# Altium PCB Template.PcbDoc
Units mil, origin at the board's own origin, x right, y up, seen from the top; angles counter-clockwise.
Board outline 6705 x 4350 mil, 2 copper layers (Top Layer, Bottom Layer), stack 61.2 mil thick; 55 components, 77 nets, 278 pads, 130 vias.
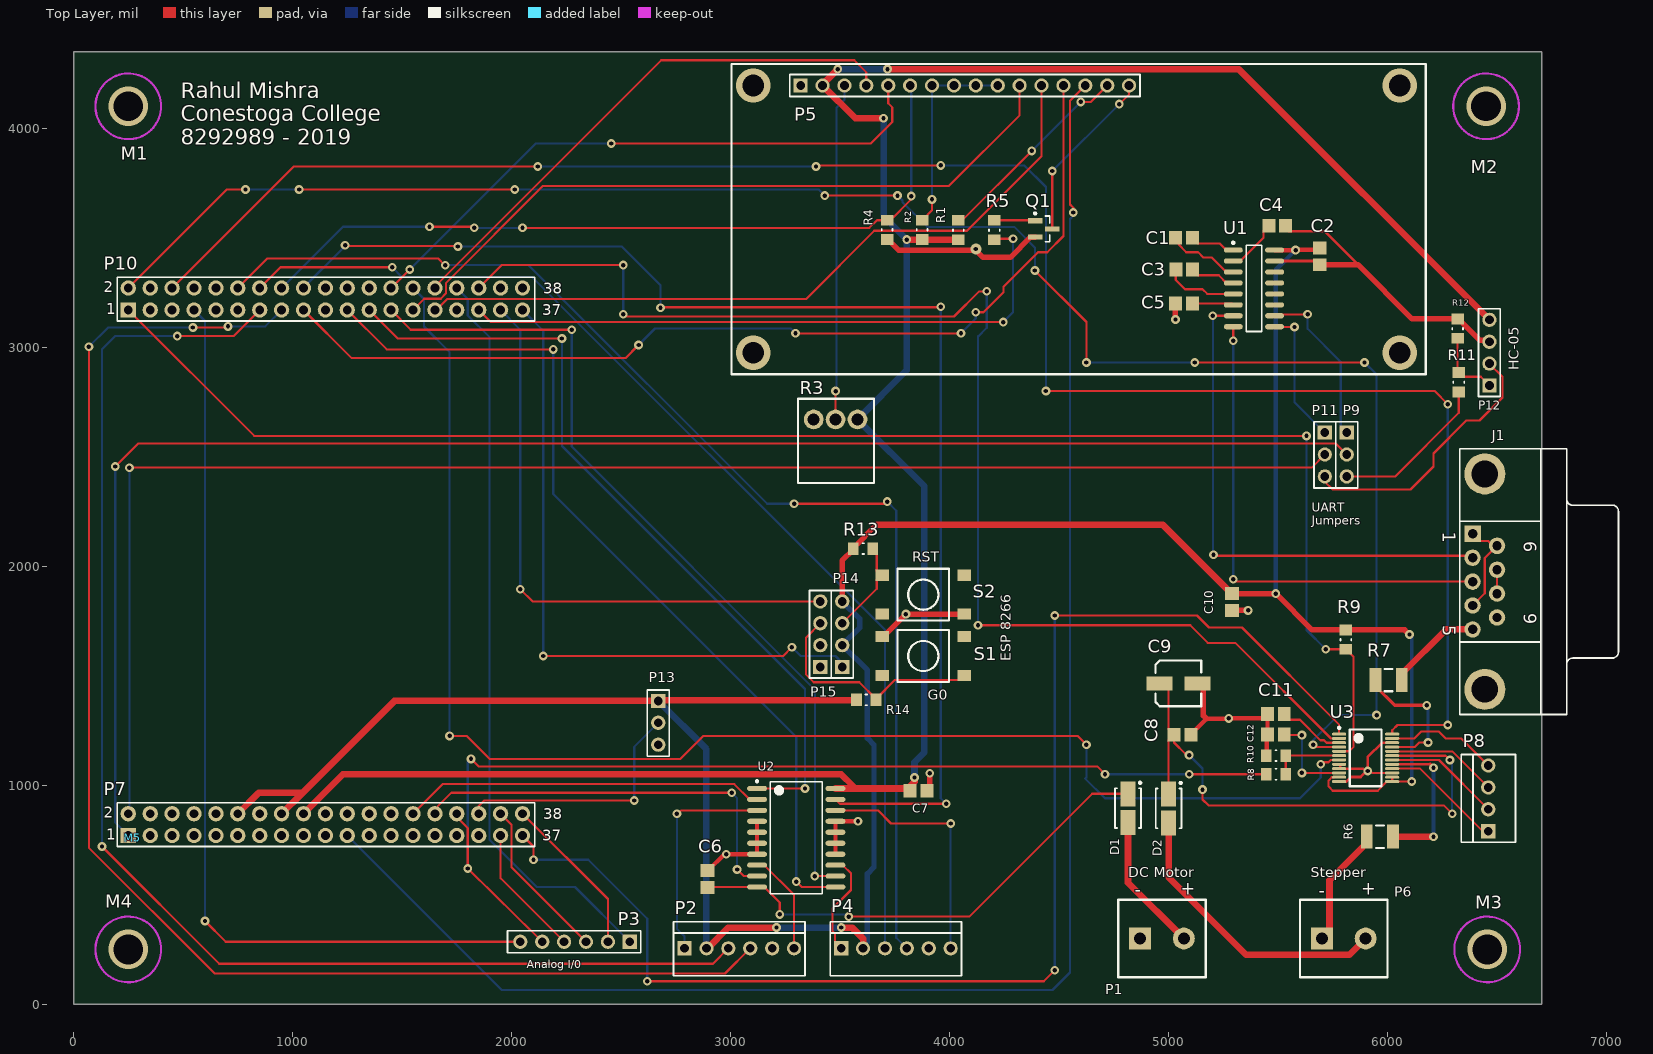
[diagram p0: Top Layer view]
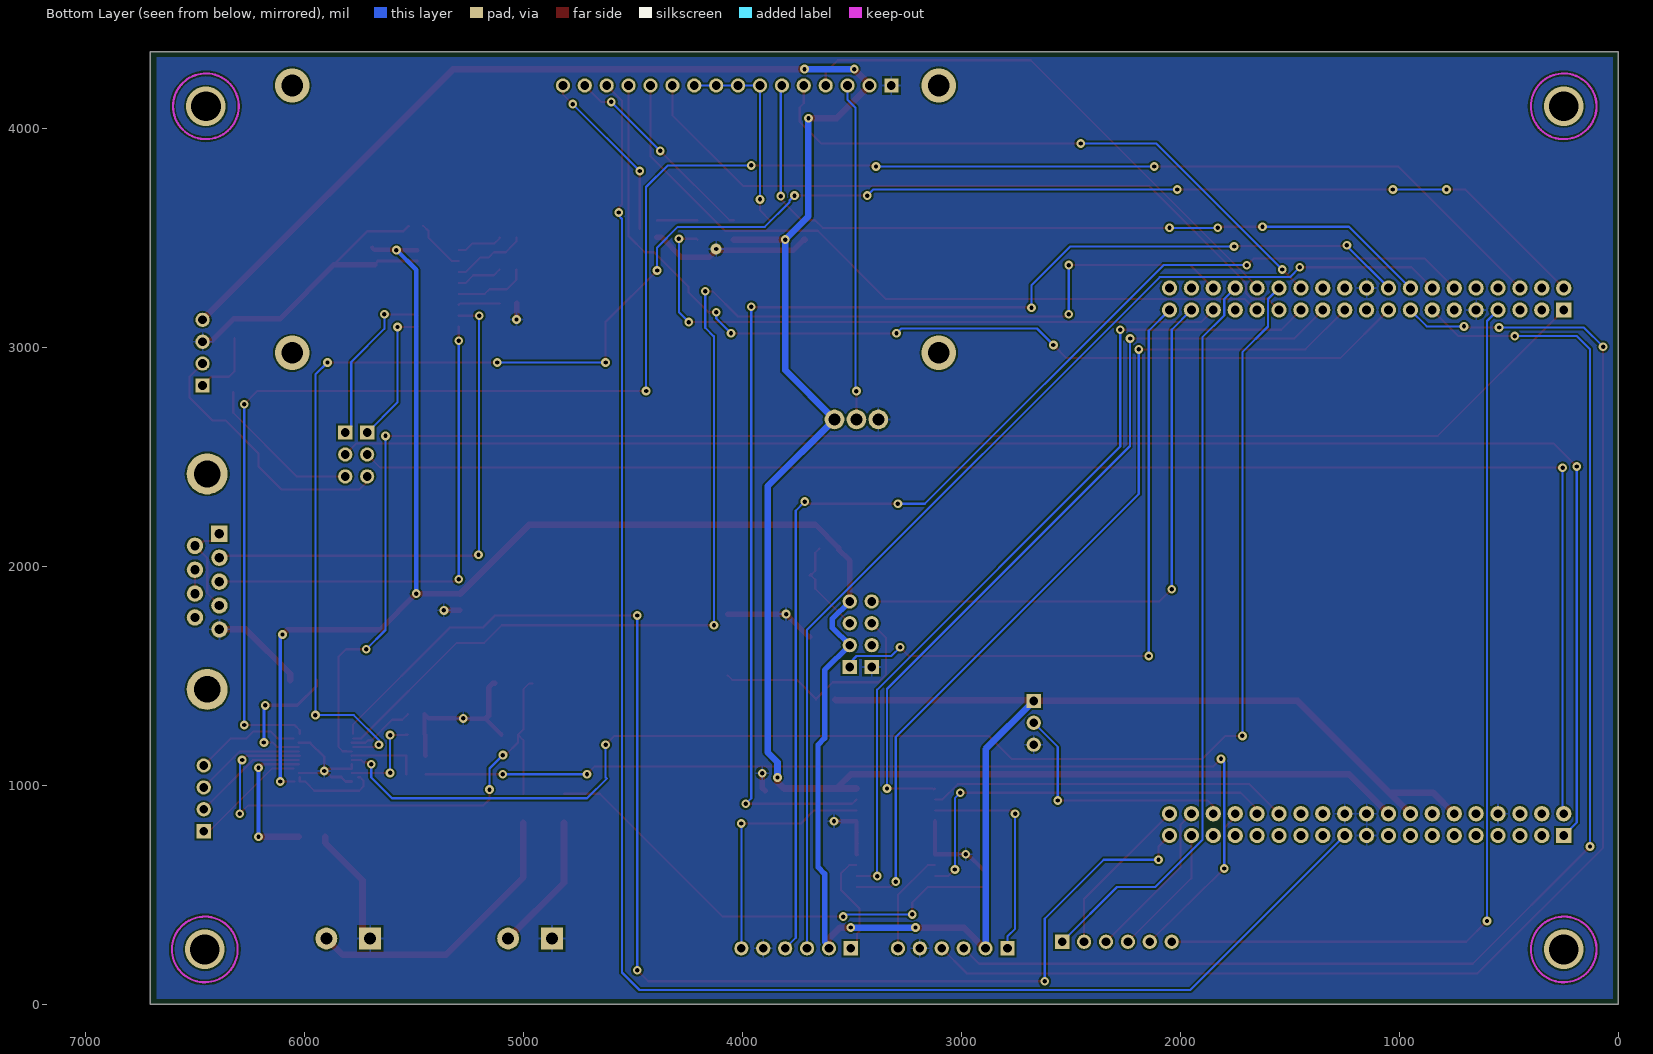
[diagram p1: Bottom Layer view, seen from below]

## Layer stack, top to bottom
Top Solder: solder mask 0.4, Solder Resist, Dk 3.5
Top Layer: signal copper 1.4
Dielectric 1: dielectric 58.4, FR-4, Dk 4.8
Bottom Layer: signal copper 1.4
Bottom Solder: solder mask 0.4, Solder Resist, Dk 3.5

## Board outline
0,0 0,4350 6705,4350 6705,0

## Design rules (kind name [scope] priority, off if disabled: settings)
Clearance [All] p1: gap=6 ignorepadtopadclearanceinfootprint=TRUE except(8: Arc-Fill Arc-Poly Arc-Region Track-Fill Track-Poly Track-Region SMDPad-Fill SMDPad-Poly SMDPad-Region THPad-Fill THPad-Poly THPad-Region Via-Fill Via-Poly Via-Region Fill-Fill Fill-Poly Fill-Region Poly-Poly Poly-Region Region-Region)
HoleSize [All] p1: absolutevalues=TRUE maxlimit=150 minlimit=20 maxpercent=80.000 minpercent=20.000
MinimumAnnularRing [All] p1: minimumring=10
MinimumSolderMaskSliver [All] p1: minsoldermaskwidth=3
PolygonConnect [All] p1: connectstyle=Relief reliefconductorwidth=10 reliefentries=4 polygonreliefangle="90 Angle" airgapwidth=10
RoutingVias [All] p1: holewidth=10 width=40 viastyle="Through Hole" minholewidth=20 minwidth=30 maxholewidth=40 maxwidth=50
SolderMaskExpansion [All] p1: expansion=5
Width Width_Power [InNetClass('Power')] p1: maxlimit=50 minlimit=10 preferedwidth=30
Width [All] p2: maxlimit=10 minlimit=10 preferedwidth=10
28 further rules are at their usual default settings.

## Classes and differential pairs
net class Power: 3V3 5V0 GND NetD1_2 NetD2_2 NetP2_1 NetP2_6 NetP4_1 NetP4_6 OUT1A OUT1B OUT2A OUT2B RNF1 RNF2 VM Vmotor
component class Sheet3: C8 C9 C10 C11 C12 D2 P6 P8 R6 R7 R8 R9 R10 U3
component class Sheet2: 1.2mm C6 C7 D1 P1 P2 P4 P14 P15 Q1 R1 R2 R3 R4 R5 R13 R14 S1 S2 U2
component class Sheet1: C1 C2 C3 C4 C5 J1 P3 P7 P9 P10 P11 P12 P13 R11 R12 U1
component class Mechanical: M1 M2 M3 M4 M5

## Components (designator, comment, footprint, x,y, rotation, side; value= is the part's Value field where it differs from the comment)
C1 "Cap" CAPC2012X09M 5070,3500 r0 top value=.1uF
C2 "Cap" CAPC2012X09M 5690,3415 r90 top value=.1uF
C3 "Cap" CAPC2012X09M 5071.61,3355 r0 top value=.1uF
C4 "Cap" CAPC2012X09M 5496.61,3555 r180 top value=.1uF
C5 "Cap" CAPC2012X09M 5070,3200 r0 top value=.1uF
C6 "Cap" CAPC2012X09M 2895,571.61 r270 top value=.1uF
C7 "Cap" CAPC2012X09M 3858.39,975 r180 top value=.1uF
C8 "Cap" CAPC2012X09M 5063.39,1230 r180 top value=.1uF
C9 "Cap Pol" CAPACITOR_5MM 5045,1465 r0 top value=10uF
C10 "Cap" CAPC2012X09M 5290,1836.61 r90 top value=.1uF
C11 "Cap" CAPC2012X09M 5490,1325 r0 top value=.1uF
C12 "Cap" CAPC2012X09M 5490,1231.97 r0 top value=220pF
D1 "DIODE SCHOTTKY 40V 2A SMA" DIOM4326X23M 4815,895 r270 top
D2 "DIODE SCHOTTKY 40V 2A SMA" DIOM4326X23M 5000,894.06 r270 top
J1 "D Connector 9" DSUB1.385-2H9 6818.11,1929.53 r270 top
M1 "MOUNTING_HOLE" MOUNTING_HOLE 250,4100 r0 top
M2 "MOUNTING_HOLE" MOUNTING_HOLE 6450,4100 r0 top
M3 "MOUNTING_HOLE" MOUNTING_HOLE 6455,250 r0 top locked
M4 "MOUNTING_HOLE" MOUNTING_HOLE 250,250 r0 top locked
M5 "Nucleo-64" NUCLEO_64 269.29,760 r90 top
P1 "Terminal 2" TYCO_282841_2 4970,300 r0 top
P2 "Molex_22-11-2062" MOLEX_22-11-2062 2790,255 r0 top
P3 "Header 6" HDR1X6 2540,285 r180 top
P4 "Molex_22-11-2062" MOLEX_22-11-2062 3505,255 r0 top
P5 "Header16_LCD" HDR1X16_LCD 3320,4195 r0 top
P6 "Terminal 2" TYCO_282841_2 5800,300 r0 top
P7 "Header 19X2H" PPPC192LFBN-RC 250,770 r0 top
P8 "Molex_22-11-2042" MOLEX-22-11-2042 6460,790 r90 top
P9 "Header 3" HDR1X3 5813.74,2610 r270 top
P10 "Header 19X2H" PPPC192LFBN-RC 250,3170 r0 top
P11 "Header 3" HDR1X3 5713.74,2610 r270 top
P12 "Header 4" HDR1X4 6465,2825 r90 top
P13 "Header 3" HDR1X3 2670,1385 r270 top
P14 "Header 4" HDR1X4 3510,1539.37 r90 top
P15 "Header 4" HDR1X4 3410,1539.37 r90 top
Q1 "BC846B" SOT95P230X110-3M 4430,3540 r0 top
R1 "Res3" RESC2112X05M 4040,3535 r270 top value=0R
R2 "Res3" RESC2112X05M 3875,3535.71 r270 top value=10.0K
R3 "RPot" BOURNS_3386F 3379.69,2670 r0 top value=10K
R4 "Res3" RESC2112X05M 3715,3535.71 r270 top value=10.0K
R5 "Res3" RESC2112X05M 4205,3535 r90 top value=3.32K
R6 "Res3" RESC3125X07M 5965.04,765 r0 top value=0.47R
R7 "Res3" RESC3125X07M 6005,1480 r180 top value=0.47R
R8 "Res3" RESC2112X05M 5490.71,1050 r180 top value=8.25K
R9 "Res3" RESC2112X05M 5810,1665 r90 top value=47.5K
R10 "Res3" RESC2112X05M 5490.71,1135 r0 top value=4.75K
R11 "Res3" RESC2112X05M 6325,2840 r270 top value=1.00K
R12 "Res3" RESC2112X05M 6320,3085 r270 top value=2.00K
R13 "Res3" RESC2112X05M 3605,2080 r180 top value=3.32K
R14 "Res3" RESC2112X05M 3620,1390 r180 top value=3.32K
S1 "SWITCH_TACTILE" TACT_SWITCH_6MM_SMT 3880,1590 r180 top
S2 "SWITCH_TACTILE" TACT_SWITCH_6MM_SMT 3880,1870 r0 top
U1 "MAX3232CSE" NSO16_N 5390,3268.43 r0 top
U2 "L293DD" SO20_N 3300,760 r0 top
U3 "LV8712T-TLM-H" ONSEMITSSOP50P640X120-24M 5900,1125 r0 top

## Footprints (in the part's own frame and the unit in brackets; to place one, negate y for a bottom-side part, rotate by r counter-clockwise, add the part's x,y. Pads: shape width x height; smd on the part's side, far side on the other; paste and mask are expansions set on the pad)
BOURNS_3386F [mil] "Top Adjust Trimpot"
  round 90 hole 55: 1(0,0) 2(100,0) 3(200,0)
  silkscreen extent -72,-290 275,95, body extent -74,-286 276,89, height 150
CAPACITOR_5MM [mm]
  rect 3x1.6 smd: 1(-2.2,0) 2(2.2,0)
  silkscreen extent -2.65,-2.65 2.65,2.65, body extent -3.1,-2.65 3.1,2.65, height 6.15
CAPC2012X09M [mm] "Chip Capacitor, 2-Leads, Body 2.00x1.25mm, IPC Low Density"
  rect 1.5x1.6 smd: 1(-0.975,0) 2(0.975,0)
  body extent -1.1,-0.72 1.1,0.72, height 0.88
DIOM4326X23M [mm] "Molded Diode, 2-Leads, Body 4.30x2.60mm, IPC Low Density"
  rect 2.9x1.7 smd: 1(-1.675,0) 2(1.675,0)
  silkscreen extent -3.07,-1.5 2.3,1.53, body extent -2.74,-1.4 2.74,1.4, height 2.36
DSUB1.385-2H9 [mm] "Connector; D Subminiature; 9 Position; Right Angle; Pitch 1.385 mm"
  rect 1.905x1.905 hole 1.09: 1(-5.54,-10.92)
  round 1.905 hole 1.09: 2(-2.77,-10.92) 3(0,-10.92) 4(2.77,-10.92) 5(5.54,-10.92) 6(-4.155,-8.08) 7(-1.385,-8.08) 8(1.385,-8.08) 9(4.155,-8.08)
  round 4.76 hole 3.1: 10(-12.495,-9.5) 11(12.495,-9.5)
  silkscreen extent -15.4,-12.4 15.4,6, body extent -15.49,-12.69 15.32,5.61, height 12.88
HDR1X3 [mil] "Connector; Header; 3 Position"
  rect 65x65 hole 40: 1(0,0)
  round 65 hole 40: 2(100,0) 3(200,0)
  silkscreen extent -50,-50 253,50, body extent -46,-49 254,49, height 118
HDR1X4 [mil] "Connector; Header; 4 Position"
  rect 65x65 hole 40: 1(0,0)
  round 65 hole 40: 2(100,0) 3(200,0) 4(300,0)
  silkscreen extent -50,-50 350,50, body extent -47,-48 353,50, height 370
HDR1X6 [mil] "Connector; Header; 6 Position"
  rect 65x65 hole 40: 1(0,0)
  round 65 hole 40: 2(100,0) 3(200,0) 4(300,0) 5(400,0) 6(500,0)
  silkscreen extent -50,-50 559,50, body extent -46,-48 554,50, height 370
HDR1X16_LCD [mil] "Connector; Header; 16 Position, For LCD"
  rect 65x65 hole 40: 1(0,0)
  round 65 hole 40: 2(100,0) 3(200,0) 4(300,0) 5(400,0) 6(500,0) 7(600,0) 8(700,0) 9(800,0) 10(900,0) 11(1000,0) 12(1100,0) 13(1200,0) 14(1300,0) 15(1400,0) 16(1500,0)
  silkscreen extent -315,-1319 2854,98, body extent -399,-1344 2885,181, height 800
MOLEX-22-11-2042 [mil] "CONN HEADER 4POS .100 VERT GOLD"
  rect 65x65 hole 40: 1(0,0)
  round 65 hole 40: 2(100,0) 3(200,0) 4(300,0)
  silkscreen extent -50,-124 350,123, body extent -47,-128 347,122, height 422
MOLEX_22-11-2062 [mil] "CONN HEADER 6POS .100 VERT GOLD"
  rect 65x65 hole 40: 1(0,0)
  round 65 hole 40: 2(100,0) 3(200,0) 4(300,0) 5(400,0) 6(500,0)
  silkscreen extent -50,-125 550,122, body extent -47,-128 547,122, height 422
MOUNTING_HOLE [mil]
  Keep-Out Layer circle w10: c0,0 r150
NSO16_N [mm] "SOIC, 16-Leads, Body 9.9x3.9mm, Pitch 1.27mm, IPC Medium Density"
  oval 2.2x0.6 smd: 1(-2.4,4.445) 2(-2.4,3.175) 3(-2.4,1.905) 4(-2.4,0.635) 5(-2.4,-0.635) 6(-2.4,-1.905) 7(-2.4,-3.175) 8(-2.4,-4.445) 9(2.4,-4.445) 10(2.4,-3.175) 11(2.4,-1.905) 12(2.4,-0.635) 13(2.4,0.635) 14(2.4,1.905) 15(2.4,3.175) 16(2.4,4.445)
  silkscreen extent -2.52,-5 0.9,5.42, body extent -3.1,-5 3.1,5, height 1.75
NUCLEO_64 [mil] "Nucleo 64 Placeholder"
  body extent -128,-1998 2628,1269, height 394
ONSEMITSSOP50P640X120-24M [mm] "On Semi TSSOP, 24-Leads, Body 6.50x4.40mm, Pitch 0.50mm, IPC Low Density"
  oval 1.65x0.35 smd: 1(-3.075,2.75) 2(-3.075,2.25) 3(-3.075,1.75) 4(-3.075,1.25) 5(-3.075,0.75) 6(-3.075,0.25) 7(-3.075,-0.25) 8(-3.075,-0.75) 9(-3.075,-1.25) 10(-3.075,-1.75) 11(-3.075,-2.25) 12(-3.075,-2.75) 13(3.075,-2.75) 14(3.075,-2.25) 15(3.075,-1.75) 16(3.075,-1.25) 17(3.075,-0.75) 18(3.075,-0.25) 19(3.075,0.25) 20(3.075,0.75) 21(3.075,1.25) 22(3.075,1.75) 23(3.075,2.25) 24(3.075,2.75)
  silkscreen extent -3.2,-3.3 1.85,3.6, body extent -3.2,-3.3 3.2,3.3, height 1.2
PPPC192LFBN-RC [mil] "38 Position Header Connector 0.100in (2.54mm) Through Hole Gold"
  rect 70x70 hole 40: 1(0,0)
  round 70 hole 40: 2(0,100) 3(100,0) 4(100,100) 5(200,0) 6(200,100) 7(300,0) 8(300,100) 9(400,0) 10(400,100) 11(500,0) 12(500,100) 13(600,0) 14(600,100) 15(700,0) 16(700,100) 17(800,0) 18(800,100) 19(900,0) 20(900,100) 21(1000,0) 22(1000,100) 23(1100,0) 24(1100,100) 25(1200,0) 26(1200,100) 27(1300,0) 28(1300,100) 29(1400,0) 30(1400,100) 31(1500,0) 32(1500,100) 33(1600,0) 34(1600,100) 35(1700,0) 36(1700,100) 37(1800,0) 38(1800,100)
  silkscreen extent -50,-50 1856,150, body extent -60,-51 1860,149, height 335
RESC2112X05M [mm] "Chip Resistor, 2-Leads, Body 2.05x1.25mm, IPC Low Density"
  rect 1.25x1.45 smd: 1(-1.125,0) 2(1.125,0)
  silkscreen extent -0.1,-0.62 0.1,0.62, body extent -1.1,-0.7 1.1,0.7, height 0.5
RESC3125X07M [mm] "Chip Resistor, 2-Leads, Body 3.10x2.50mm, IPC Low Density"
  rect 1.35x2.8 smd: 1(-1.525,0) 2(1.525,0)
  silkscreen extent -0.45,-1.3 0.45,1.3, body extent -1.65,-1.35 1.65,1.35, height 0.7
SO20_N [mm] "SOIC, 20-Leads, Body 12.8x7.5mm, Pitch 1.27mm, IPC Medium Density"
  oval 2.3x0.6 smd: 1(-4.55,5.715) 2(-4.55,4.445) 3(-4.55,3.175) 4(-4.55,1.905) 5(-4.55,0.635) 6(-4.55,-0.635) 7(-4.55,-1.905) 8(-4.55,-3.175) 9(-4.55,-4.445) 10(-4.55,-5.715) 11(4.55,-5.715) 12(4.55,-4.445) 13(4.55,-3.175) 14(4.55,-1.905) 15(4.55,-0.635) 16(4.55,0.635) 17(4.55,1.905) 18(4.55,3.175) 19(4.55,4.445) 20(4.55,5.715)
  silkscreen extent -4.67,-6.5 3,6.69, body extent -5.04,-6.52 5.15,6.82, height 2.67
SOT95P230X110-3M [mm] "SOT23, 3-Leads, Body 2.90x2.30mm, Pitch 0.95mm, IPC Low Density"
  rect 1.7x0.6 smd: 1(-1,0.95) 2(-1,-0.95) 3(1,0)
  silkscreen extent -1.12,-1.5 0.7,1.92, body extent -0.7,-1.5 0.7,1.5, height 1.1
TACT_SWITCH_6MM_SMT [mm]
  rect 1.55x1.3 smd: 1(-4.75,2.25) 2(4.75,2.25) 3(-4.75,-2.25) 4(4.75,-2.25)
  silkscreen extent -3,-3 3,3, body extent -5,-3.05 5,2.95, height 5.07
TYCO_282841_2 [mil]
  rect 100x100 hole 55: 1(-100,0)
  round 100 hole 55: 2(100,0)
  silkscreen extent -200,-177 200,177, body extent -209,-174 219,180, height 600

## Part data
C1 C2 C3 C4 C5 C6 C7 C8 C10 C11: library part CAP-X7R-.1uF-50V-±5%, "CAP CER .1uF 50v X7R 0805", MPN=C0805C104J5RACTU, Tolerance=±5%, Name=CAP-X7R-.1uF-50V-±5%, PN=399-1171-1-ND, Type=X7R, URL=http://www.digikey.ca/product-detail/en/C0805C104J5RACTU/399-1171-1-ND, WV=50
C9: library part "Cap Polar-10uF-35V", "CAP 85C 10uF ±20% 35V WX Series Aluminum Electrolytic", Leakage Current=3.5, MPN=UWX1V100MCL1GB, Rated Ripple Current=29, Voltage=35V, Diameter=5, Name="Cap Polar-10uF-35V", PN=493-2117-1-ND, Tan Theta=0.12, URL=http://www.digikey.ca/product-detail/en/UWX1V100MCL1GB/493-2117-1-ND
C12: library part CAP-X7R-220pF-50V-±10%, "CAP CER 220pF 50v X7R 0805", MPN=C0805C221K5RACTU, Tolerance=±10%, Name=CAP-X7R-220pF-50V-±10%, PN=399-1138-1-ND, Type=X7R, URL=http://www.digikey.ca/product-detail/en/C0805C221K5RACTU/399-1138-1-ND, WV=50
D1 D2: "Schottky Rectifier", MPN=B240A-13-F, PN=B240A-FDICT-ND, URL=http://www.digikey.ca/product-detail/en/B240A-13-F/B240A-FDICT-ND
J1: "Receptacle Assembly, 9 Position, Right Angle", MPN=ADF09A-KG-TASB3-R, PN=AE10921-ND, URL=http://www.digikey.ca/product-detail/en/ADF09A-KG-TASB3-R/AE10921-ND
M1 M2 M3 M4: "Mounting Hole"
M5: "Nucleo-64 Board Model"
P1 P6: "Terminal, 2-Pin", MPN=282841-2, LatestRevisionDate=17-Jul-2002, LatestRevisionNote="Re-released for DXP Platform.", PN=A98342-ND, Publisher="Altium Limited", URL=http://www.digikey.ca/product-detail/en/282841-2/A98342-ND/1136740
P2 P4: "CONN HEADER 6POS .100 VERT GOLD", MPN=0022112062, PN=WM2704-ND, URL=http://www.digikey.ca/product-detail/en/0022112062/WM2704-ND
P3: "Header, 6-Pin Male", MPN=PEC06SFAN, PN=S1212E-06-ND, URL=http://www.digikey.ca/product-detail/en/PEC06SFAN/S1212E-06-ND
P5: "Header, 16-Pin Female", MPN=PPPC161LFBN-RC, PN=S7049-ND, URL=http://www.digikey.ca/product-detail/en/PPPC161LFBN-RC/S7049-ND
P7 P10: "38 Position Header Connector 0.100in (2.54mm) Through Hole Gold", MPN=PPPC192LFBN-RC, PN=S7122-ND, URL=https://www.digikey.ca/product-detail/en/sullins-connector-solutions/PPPC192LFBN-RC/S7122-ND
P8: "CONN HEADER 4POS .100 VERT GOLD", MPN=0022112042, PN=WM2702-ND, URL=http://www.digikey.ca/product-detail/en/0022112042/WM2702-ND
P9 P11 P13: "Header, 3-Pin Male", MPN=PEC03SFAN, PN=S1212E-03-ND, URL=http://www.digikey.ca/product-detail/en/PEC03SFAN/S1212E-03-ND
P12 P14 P15: "Header, 4-Pin Male", MPN=PEC04SFAN, PN=S1212E-04-ND, URL=http://www.digikey.ca/product-detail/en/PEC04SFAN/S1212E-04-ND
Q1: "TRANS NPN 65V 0.1A SOT23", MPN=BC846BLT3G, PN=BC846BLT3GOSCT-ND, URL=https://www.digikey.ca/product-detail/en/on-semiconductor/BC846BLT3G/BC846BLT3GOSCT-ND
R1: library part Resistor_0R_Jumper, "RES SMD 0 OHM 5% 1/8W 0805", MPN=CRCW08050000Z0EA, Name=Resistor_0R_Jumper, PN=541-0.0ACT-ND, URL=http://www.digikey.ca/product-detail/en/CRCW08050000Z0EA/541-0.0ACT-ND
R2 R4: library part Resistor_10.0K, "RES SMD 10.0K OHM 1% 1/8W 0805", MPN=CRCW080510K0FKEA, Name=Resistor_10.0K, PN=541-10.0KCCT-ND, URL=http://www.digikey.ca/product-detail/en/CRCW080510K0FKEA/541-10.0KCCT-ND
R3: "POT 10K OHM THUMBWHEEL CERM ST", MPN=3352T-1-103LF, LatestRevisionDate=17-Jul-2002, LatestRevisionNote="Re-released for DXP Platform.", PackageDescription="Variable Resistor, Thru-Hole; 3 Leads", PackageReference=VR5, PN=3352T-103LF-ND, Published=8-Jun-2000, Publisher="Altium Limited", Set Position=0.5, Sim Note="Enter the Resistance value and the set point into parameter fields.", URL=http://www.digikey.ca/product-detail/en/3352T-1-103LF/3352T-103LF-ND
R5 R13 R14: library part Resistor_3.32K, "RES SMD 3.32K OHM 1% 1/8W 0805", MPN=CRCW08053K32FKEA, Name=Resistor_3.32K, PN=541-3.32KCCT-ND, URL=http://www.digikey.ca/product-detail/en/CRCW08053K32FKEA/541-3.32KCCT-ND
R6 R7: library part Resistor_0.47R_1W, "RES SMD 0.47OHM 5% 1W 1210", MPN=RCWE1210R470FKEA, Name=Resistor_0.47R_1W, PN=RCWE.47FCT-ND, URL=http://www.digikey.ca/product-detail/en/vishay-dale/RCWE1210R470FKEA/RCWE.47FCT-ND
R8: library part Resistor_8.25K, "RES SMD 8.25K OHM 1% 1/8W 0805", MPN=CRCW08058K25FKEA, Name=Resistor_8.25K, PN=541-8.25KCCT-ND, URL=http://www.digikey.ca/product-detail/en/CRCW08058K25FKEA/541-8.25KCCT-ND
R9: library part Resistor_47.5K, "RES SMD 47.5K OHM 1% 1/8W 0805", MPN=CRCW080547K5FKEA, Name=Resistor_47.5K, PN=541-47.5KCCT-ND, URL=http://www.digikey.ca/product-detail/en/CRCW080547K5FKEA/541-47.5KCCT-ND
R10: library part Resistor_4.75K, "RES SMD 4.75K OHM 1% 1/8W 0805", MPN=CRCW08054K75FKEA, Name=Resistor_4.75K, PN=541-4.75KCCT-ND, URL=http://www.digikey.ca/product-detail/en/CRCW08054K75FKEA/541-4.75KCCT-ND
R11: library part Resistor_1.00K, "RES SMD 1.00K OHM 1% 1/8W 0805", MPN=CRCW08051K00FKEA, Name=Resistor_1.00K, PN=541-1.00KCCT-ND, URL=http://www.digikey.ca/product-detail/en/CRCW08051K00FKEA/541-1.00KCCT-ND
R12: library part Resistor_2.00K, "RES SMD 2.00K OHM 1% 1/8W 0805", MPN=CRCW08052K00FKEA, Name=Resistor_2.00K, PN=541-2.00KCCT-ND, URL=http://www.digikey.ca/product-detail/en/CRCW08052K00FKEA/541-2.00KCCT-ND
S1 S2: "SWITCH TACTILE SPST-NO 0.05A 12V", MPN="PTS645SH50SMTR92 LFS", PN=CKN9085CT-ND, URL=http://www.digikey.ca/product-detail/en/PTS645SH50SMTR92%20LFS/CKN9085CT-ND
U1: "3.0V TO 5.5V, Low-Power, up to 1Mbps, True RS-232 Transceiver Using Four 0.1µF External Capacitor", MPN=MAX3232CSE+, Code_IPC=SOIC127P600-16, Code_JEDEC=MS-012-AC, ComponentLink1Description="Manufacturer Link", ComponentLink1URL=http://www.maxim-ic.com/, ComponentLink2Description=Datasheet, ComponentLink2URL=http://pdfserv.maxim-ic.com/en/ds/MAX3222-MAX3241.pdf, DatasheetVersion=Mar-1999, LatestRevisionDate=13-Apr-2006, LatestRevisionNote="IPC-7351 Footprint Added.", PackageDescription="16-Pin Small Outline Integrated Circuit 1.27 mm Pitch", PackageReference=NSO16, PN=MAX3232CSE+-ND, Published=16-Jan-2001, Publisher="Altium Limited", URL=http://www.digikey.ca/product-detail/en/MAX3232CSE%2B/MAX3232CSE%2B-ND
U2: "IC MOTOR DRIVER PAR 20-SOIC", MPN=L293DD013TR, Code_IPC=SOIC127P1030-20, Code_JEDEC=MS-013-AC, ComponentLink1Description="Manufacturer Link", ComponentLink1URL=http://www.st.com/, ComponentLink2Description=Datasheet, ComponentLink2URL=http://www.st.com/stonline/products/literature/ds/1330/l293d.pdf, DatasheetVersion=Jun-1996, LatestRevisionDate=13-Apr-2006, LatestRevisionNote="IPC-7351 Footprint Added.", PackageDescription="20-Pin Plastic Small Outline Integrated Circuit 1.27 mm Pitch", PackageReference=SO20, PackageVersion=Jul-2001, PN=497-2937-1-ND, Published=8-Jun-2000, Publisher="Altium Limited", URL=http://www.digikey.ca/product-detail/en/L293DD013TR/497-2937-1-ND
U3: "IC MOTOR DRIVER PAR 24TSSOP", MPN=LV8712T-TLM-H, PN=869-1290-1-ND, URL=http://www.digikey.ca/product-detail/en/on-semiconductor/LV8712T-TLM-H/869-1290-1-ND

## Via types
v1: diameter 40, hole 20, Top Layer to Bottom Layer, 121 vias
v2: diameter 157.48, hole 98.43, Top Layer to Bottom Layer, 4 vias
v3: diameter 180, hole 136, Top Layer to Bottom Layer, 4 vias
v4: diameter 50, hole 20, Top Layer to Bottom Layer, 1 vias

## Nets (pads, with @x,y where several pads share a name; then routed paths per layer and width w, separated by ;. In a path a pad name is that pad's centre, name@x,y a point inside that pad or via, vN(x,y) a via of type N, cw(c..) or ccw(c..) an arc to the next point about the centre after c; other vN are vias at no path point)
3V3: C2.2 C10.2 P2.2 P4.2 P7.12 P7.16 P13.1 P14.2 P14.4 R9.2 R13.2 R14.2 U1.16 U3.11 U3.13 U3.14 | length 12952
  Top Layer w10: U3.11@5753.96,1036.12 5745.32,1036.12 5730,1020.81 5730,995 5750,975 5955,975 5996.73,1016.73 U3.13 U3.14 ; U3.13@6046.04,1016.73 v1(6110,1016.73)
  Top Layer w20: U1.16 v1(5580,3443.43) 5581.91,3445.34 5681.95,3445.34 C2.2
  Top Layer w25: P14.4 3510,2025.36 3560.71,2076.06 R13.2 3560.71,2083.94 3666.77,2190 ; C10.2@5288.03,1875 C10.2 v1(5490,1875) 5655.71,1709.29 R9.2 6077.74,1709.29 6098.65,1688.39 v1(6100,1688.39)
  Top Layer w30: P7.12 845,965 1045,965 ; P7.16 1045,965 ; P2.2 2894.6,255 2989.6,350 v1(3210,350) ; v1(3505,350) 3554.69,350 3605,299.69 P4.2 ; R14.2 3573.21,1387.5 2672.5,1387.5 P13.1 1465,1385 1045,965 ; 3666.77,2190 4973.03,2190 C10.2@5288.03,1875
  Bottom Layer w15: v1(6100,1688.39) 6110,1678.39 v1@6110,1018.09
  Bottom Layer w20: v1(5490,1875) 5490,3353.43 v1(5580,3443.43)
  Bottom Layer w25: P14.4 3590,1759.37 3590,1719.37 P14.2 3624.27,1525.1 3624.27,1215.1 3655,1184.37 3655,625.82 3624.27,595.1 3624.27,285.1 3605,265.82 P4.2 ; v1(6110,1016.73) v1@6110,1018.09
  Bottom Layer w30: P13.1 2890,1165 P2.2 ; v1(3210,350) v1(3505,350)
5V0: C7.2 P5.2 P7.18 P12.4 R1.2 R2.2 R3.3 U2.20 | length 10422.4
  Top Layer w30: P7.18 1230,1050 3505,1050 3560,995 ; U2.20 3810,985 3840,1015 v1(3840,1035) ; v1(3490,4270) 3420,4200 P5.2 3570,4045 v1(3698.57,4045) ; v1(3716.59,4270) 5320,4270 P12.4 ; v1(3805,3491.42) R2.2 3875.35,3491.06 4039.65,3491.06 R1.2
  Bottom Layer w30: v1(3490,4270) v1(3716.59,4270) ; v1(3698.57,4045) 3698.57,3597.85 v1(3805,3491.42) 3805,2895.31 R3.3 3885,2364.69 3885,1150 3840,1105 v1(3840,1035)
AGND: P3.1 P10.32 | length 3414.7
  Bottom Layer w10: P10.32 1800.16,3219.84 1800.16,3144.84 1900,3045 1900,750 2115.16,534.84 2290.16,534.84 P3.1
AVDD: P3.6 P10.7 | length 4290.1
  Top Layer w10: v1(600,380) 695,285 P3.6
  Bottom Layer w10: P10.7 600,3120 600,3075 v1(600,380)
ESP_RX: P10.37 P14.1 | length 3050.2
  Top Layer w10: v1(2145,1590) 3240,1590 v1(3280,1630)
  Bottom Layer w10: P10.37 2145,3075 v1(2145,1590) ; v1(3280,1630) 3320,1590 3479.37,1590 3510,1559.37 P14.1
ESP_TX: P10.35 P15.4 | length 2705.3
  Top Layer w10: v1(2040,1895) 2095.63,1839.37 P15.4
  Bottom Layer w10: P10.35 2040,3080 v1(2040,1895)
GND: C2.1 C4.1 C5.1 C6.1 C7.1 C8.1 C9.2 C10.1 C11.1 C12.1 J1.5 P1.1 P2.5 P4.5 P5.1 P6.1 P7.8 P7.19 P7.20 P7.22 P10.9 P10.20 P12.3 P13.3 P15.1 Q1.2 R3.1 R4.2 R6.1 R7.1 R10.1 R12.1 S1.4 S2.4 U1.15 U2.4 U2.5 U2.6 U2.7 U2.14 U2.15 U2.16 U2.17 U3.8 U3.9 U3.12 U3.15 U3.22 | length 5969.3
  Top Layer w10: U3.8@5783.94,1095.47 5783.94,1075 5889.18,1075 5901.2,1062.97 5902.36,1062.97 5922.85,1062.97 5929.72,1056.1 U3.15 U3.15@6026.06,1056.1
  Top Layer w12: U1.15 5664.5,3393.43 5680,3377.93 C2.1@5680,3376.61 ; C4.1@5525,3553.03 5548.53,3529.5 5712.11,3529.5 5865,3376.61 ; U3.12@5783.94,1016.73 5784.28,1017.07 5812.07,1017.07 5832.4,1037.4 5876.79,1037.4 5902.36,1062.97 5904.39,1065 v1(5910,1065) 5910,1130 5973.56,1193.56 6025.72,1193.56 U3.22@6026.06,1193.9
  Top Layer w20: C6.1 2896.97,610 2971.97,685 v1(2980,685) U2.7 U2.6 U2.5 U2.4 ; U2.14@3477.46,685 3479.13,686.67 3479.13,733.33 3477.46,735 3479.13,736.67 3479.13,783.33 3477.46,785 3479.13,786.67 U2.17 v1@3579.8,835 ; C8.1 5101.77,1231.97 5173.31,1303.5 5275,1303.5 5276.5,1305 5432.09,1305 5451.61,1324.53 C11.1 ; R10.1 5449.02,1137.6 5449.02,1229.37 C12.1 C11.1@5451.61,1323.03
  Top Layer w25: S1.4 3697.91,1678.58 v1(3800.75,1781.42) S2.4 ; R4.2@3718.94,3491.42 3767.15,3443.21 4107.84,3443.21 4108.45,3443.82 4119.39,3443.82 4153.21,3410 4277.76,3410 4370.35,3502.6 Q1.2 ; C7.1 3910,988.23 v1(3910,1055) ; v1(5031.61,3126.61) C5.1 ; C9.2 5140.4,1465 5159.4,1446 5159.4,1317.42 5173.31,1303.5 ; C10.1 v1(5363.23,1798.23) ; C2.1@5680,3376.61 C2.1 5865,3376.61 6112.32,3129.29 R12.1 6323.94,3129.29 6420.58,3032.65 6447.35,3032.65 P12.3@6455,3025
  Top Layer w30: R4.2 R4.2@3718.94,3491.42 ; P6.1 5735,335 5735,566.46 5905,736.46 R6.1 ; R7.1 6065.04,1508.54 6267.91,1711.42 J1.5
  other v1: 3581.77,835 5275,1305
  other v4: 4120,3448.6
HC_RX: P9.3 R11.2 | length 727.1
  Top Layer w10: P9.3 6035,2410 6325,2700 R11.2
HC_TX: P11.3 P12.2 | length 1239
  Top Layer w10: P11.3 5713.74,2386.26 5750,2350 6105,2350 6210,2455 6210,2515 6360,2665 6420,2665 6525,2770 6525,2865 P12.2
NetC1_1: C1.1 U1.3 | length 338.5
  Top Layer w10: C1.1 5031.61,3483.39 5044.02,3470.98 5081.25,3433.75 5135,3433.75 5158.98,3409.77 5197.67,3409.77 5264.02,3343.43 U1.3
NetC1_2: C1.2 U1.1 | length 211.7
  Top Layer w10: C1.2 5108.39,3498.03 5132.91,3473.5 5233.94,3473.5 5264.02,3443.43 U1.1
NetC3_1: C3.1 U1.5 | length 336.8
  Top Layer w10: C3.1 5033.23,3306.77 5075,3265 5155,3265 5176.57,3243.43 U1.5
NetC3_2: C3.2 U1.4 | length 212.2
  Top Layer w10: C3.2 5110,3353.03 5134.53,3328.5 5228.94,3328.5 5264.02,3293.43 U1.4
NetC4_2: C4.2 U1.2 | length 247.4
  Top Layer w10: U1.2 5327.01,3393.43 5433.7,3500.12 5433.7,3530.47 C4.2
NetC5_2: C5.2 U1.6 | length 189.8
  Top Layer w10: C5.2 5288.94,3200 U1.6
NetC12_2: C12.2 U3.10 | length 442.2
  Top Layer w10: C12.2@5541,1231.97 C12.2 5531.46,1228.9 v1(5608.9,1228.9) ; v1(5608.9,1056.1) U3.10@5783.94,1056.1
  Bottom Layer w10: v1(5608.9,1056.1) v1(5608.9,1228.9)
NetD1_2: D1.2 P1.2 | length 634.7
  Top Layer w30: D1.2 4815,555 P1.2
NetD2_2: D2.2 P6.2 | length 1326.2
  Top Layer w30: D2.2 5000,580 5355,225 5825,225 P6.2
NetJ1_1: J1.1 J1.4 J1.6 | length 453.4
  Top Layer w10: J1.4 6444.09,1876.38 6444.09,2037.2 J1.6 6482.41,2093.11 6460.38,2115.14 6420.69,2115.14 J1.1
NetJ1_2: J1.2 U1.7 | length 2375.6
  Top Layer w10: v1(5201.57,3143.43) U1.7 ; v1(5205,2051.85) 5208.83,2048.03 6378.74,2048.03 J1.2
  Bottom Layer w10: v1(5201.57,3143.43) 5203.29,3141.71 5203.29,2053.57 v1(5205,2051.85)
NetJ1_3: J1.3 U1.8 | length 2277.1
  Top Layer w10: v1(5295.08,1940) 5295.08,1930 5295.32,1929.76 6387.95,1929.76 J1.3 ; v1(5295.51,3029.49) U1.8
  Bottom Layer w10: v1(5295.08,1940) 5295.08,1930.08 5295.04,1930.04 5295.51,1930.04 v1(5295.51,3029.49)
NetJ1_7: J1.7 J1.8 | length 109.1
  Top Layer w10: J1.8 J1.7
NetP2_1: P2.1 U2.3 | length 1001.6
  Top Layer w10: v1(2755,870) 2760,870 2775,885 U2.3
  Bottom Layer w10: v1(2755,870) 2755,345 2790,310 P2.1
NetP2_6: P2.6 U2.8 | length 469.7
  Top Layer w10: U2.8 3154.33,635 3290,499.33 P2.6
NetP4_1: P4.1 U2.13 | length 480.4
  Top Layer w10: U2.13 3512.6,635 3550,597.6 3550,521.56 3465.4,436.96 3465.4,333.43 3477.5,321.33 3477.5,282.5 P4.1
NetP4_6: P4.6 U2.18 | length 1120.7
  Top Layer w10: U2.18 3673.06,885 3733.06,825 v1(4005,825)
  Bottom Layer w10: P4.6 v1(4005,825)
NetP5_3: P5.3 R3.2 | length 1541.7
  Top Layer w10: R3.2 v1(3479.69,2799.69)
  Bottom Layer w10: v1(3479.69,2799.69) 3483.52,2803.52 3483.52,4093.52 3520,4130 P5.3
NetP5_7: P5.7 P5.8 P5.9 P5.10 R2.1 | length 933.6
  Top Layer w10: R2.1 3920,3625 v1(3920,3675)
  Bottom Layer w10: v1(3920,3675) P5.7 P5.8 P5.9 P5.10
NetP5_15: P5.15 R1.1 | length 935
  Top Layer w10: R1.1 4058.03,3579.29 v1(4375,3896.26) ; v1(4598.74,4120) 4645,4120 P5.15
  Bottom Layer w10: v1(4375,3896.26) v1(4598.74,4120)
NetP5_16: P5.16 Q1.3 | length 800.2
  Top Layer w10: Q1.3 v1(4469.37,3804.37) ; v1(4775,4110) 4820,4155 P5.16
  Bottom Layer w10: v1(4469.37,3804.37) v1(4775,4110)
NetP12_1: P12.1 R11.1 R12.2 | length 323
  Top Layer w10: R12.2 6320,2889.29 6344.61,2864.69 6425.31,2864.69 P12.1
NetP14_3: P14.3 R13.1 S2.1 | length 433.6
  Top Layer w10: P14.3 3667.48,1896.85 3667.48,1937.99 3688.07,1958.58 S2.1 ; R13.1 3667.48,2061.81 3667.48,1979.17 3683.37,1963.29 S2.1@3688.29,1963.29
NetP15_3: P15.3 R14.1 S1.1 | length 1077.8
  Top Layer w10: P15.3 3345,1674.37 3345,1505 3380,1470 3588.23,1470 R14.1@3664.29,1393.94 ; R14.1 R14.1@3664.29,1393.94 ; S1.1 4046.42,1480.83 3751.18,1480.83 R14.1@3664.29,1393.94
NetQ1_1: Q1.1 R5.2 | length 186.4
  Top Layer w10: R5.2 4388.74,3579.29 Q1.1
NetR8_1: R8.1 R10.2 U3.6 | length 334
  Top Layer w10: R8.1 R10.2 5783.78,1135 U3.6@5783.94,1134.84
OUT1A: P8.4 U3.23 | length 486.2
  Top Layer w10: U3.23@6051.04,1213.58 6122.39,1213.58 6153.81,1245 6233.66,1245 6265.07,1213.58 6336.42,1213.58 P8.4
OUT1B: P8.3 U3.20 | length 502.1
  Top Layer w10: U3.20@6026.06,1154.53 6295.47,1154.53 P8.3
OUT2A: P8.2 U3.18 | length 527.2
  Top Layer w10: U3.18@6026.06,1115.16 6234.84,1115.16 P8.2
OUT2B: P8.1 U3.16 | length 527.3
  Top Layer w10: U3.16@6051.04,1075.79 6148.67,1075.79 6434.46,790 P8.1
PA0: P7.28 U2.2 | length 1655.8
  Top Layer w10: P7.28 1685,1005 3017.4,1005 3087.4,935 U2.2
PA1: P7.30 U2.9 | length 1877.5
  Top Layer w10: P7.30 1650,890 1725.25,965.25 v1(3005,965.25) ; v1(3030,615) 3060,585 U2.9
  Bottom Layer w10: v1@2997.65,965 2997.9,965.25 v1(3005,965.25) 3030,940.25 v1(3030,615)
PA4: P3.5 P7.32 R8.2 | length 4914.8
  Top Layer w10: P7.32 1750,855 1800,805 1800,625 v1(1800.16,619.84) P3.5 ; v1(1815,1120) 1849,1086 4674,1086 v1(4710,1050) ; v1(5095,1050) R8.2
  Bottom Layer w10: v1(1800.16,619.84) 1800,620 1800,1105 v1(1815,1120) ; v1(4710,1050) v1(5095,1050)
PA6: P2.3 P10.13 | length 6175.6
  Top Layer w10: v1(130,720) 665,185 2920,185 P2.3 ; v1(473.31,3050.83) 730.83,3050.83 P10.13
  Bottom Layer w10: v1(130,720) 130,2990.83 190,3050.83 v1(473.31,3050.83)
PA7: P2.4 P10.15 | length 6542.2
  Top Layer w10: v1(70,3001.64) 70,715 645,140 2975,140 P2.4 ; v1(545,3090) 700,3090 v1(705,3095)
  Bottom Layer w10: v1(70,3001.64) 158.36,3090 v1(545,3090) ; v1(705,3095) 875,3095 P10.15
PA8: P10.23 U2.1 | length 3671.9
  Top Layer w10: P10.23 1480,3040 v1(2230,3040) ; U2.1 3125.87,980 3130.87,985 v1(3340,985)
  Bottom Layer w10: v1(2230,3040) 2230,2548.89 3340,1438.89 v1(3340,985)
PA9: P10.21 U2.11 | length 4093.8
  Top Layer w10: P10.21 1430,2990 v1(2190,2990) ; v1(3300,560) 3325,535 U2.11
  Bottom Layer w10: v1(2190,2990) 2190,2330 3300,1220 v1(3300,560)
PA10: P10.33 R5.1 | length 2903.6
  Top Layer w10: P10.33 1905.31,3114.69 v1(4245,3114.69) ; R5.1 4209.29,3495 v1(4290,3495)
  Bottom Layer w10: v1(4245,3114.69) 4245,3115 4290,3160 v1(4290,3495)
PA11: P4.3 P10.14 | length 5034.9
  Top Layer w10: P10.14 945,3365 v1(1455,3365)
  Bottom Layer w10: v1(1455,3365) 1500,3320 2095,3320 3705,1710 P4.3
PA12: P4.4 P10.12 | length 5566.3
  Top Layer w10: P10.12 885,3405 1664.68,3405 1694.92,3374.75 v1(1696.86,3374.75) ; v1(3290,2285) 3699.59,2285 3709.59,2295 v1(3715,2295)
  Bottom Layer w10: v1(1696.86,3374.75) 2077.15,3374.75 3166.9,2285 v1(3290,2285) ; v1(3715,2295) 3756.65,2253.35 3756.65,303.35 P4.4
PB0: P7.34 P13.2 | length 1155.9
  Top Layer w10: P7.34 1850,905 1875,930 v1(2560,930)
  Bottom Layer w10: v1(2560,930) 2560,1175 P13.2
PB4: P5.11 P10.27 | length 3301.9
  Top Layer w10: P10.27 1601.42,3221.42 1676.42,3221.42 1700,3245 1700,3292.6 2143.96,3736.56 3997.19,3736.56 4320,4059.37 P5.11
PB5: P5.12 P10.29 | length 3384
  Top Layer w10: P10.29 1656.07,3170 1706.07,3220 3345,3220 3656.48,3531.48 4079.93,3531.48 4420,3871.55 P5.12
PB6: P5.13 P10.17 | length 4528.8
  Top Layer w10: P10.17 1270,2950 2520,2950 v1(2580,3010) ; v1(3296.73,3063.27) v1(4052.06,3063.27) ; v1(4120,3160) 4155,3160 4246.25,3251.25 4246.25,3276.25 4403.75,3433.75 4445.72,3433.75 4520,3508.03 P5.13
  Bottom Layer w10: v1(2580,3010) 2655,3085 3275,3085 v1(3296.73,3063.27) ; v1(4052.06,3063.27) 4120,3131.21 v1(4120,3160)
PB7: P5.14 P7.21 | length 7716.6
  Top Layer w10: v1(4565,3615) 4565,3636.98 4550,3651.98 4550,4125 P5.14
  Bottom Layer w10: P7.21 1955,65 4470,65 4550,145 4550,3585 4565,3600 v1(4565,3615)
PB10: P10.25 U2.12 | length 3911.2
  Top Layer w10: P10.25 1540,3080 v1(2275,3080) ; v1(3385,585) U2.12
  Bottom Layer w10: v1(2275,3080) 2275,2546.31 3385,1436.31 v1(3385,585)
PB11: P10.18 U2.19 | length 5968.9
  Top Layer w10: v1(1240,3465) 1242.5,3462.5 1752.5,3462.5 v1(1755,3460) ; v1(2680,3180) 2682.5,3182.5 3957.5,3182.5 v1(3960,3185) ; U2.19 3499.13,915 v1(3985,915)
  Bottom Layer w10: P10.18 1050,3272.5 1240,3462.5 v1(1240,3465) ; v1(1755,3460) 2503.43,3460 2680,3283.43 v1(2680,3180) ; v1(3960,3185) 3960,940.08 3985,915.08 v1(3985,915)
PB12: P5.6 P10.16 R4.1 | length 3569
  Top Layer w10: v1(1625.29,3550) 1825,3550 v1(1830,3545) ; v1(2050,3545) 3633.79,3545 3668.79,3580 R4.1 3730,3580 3825,3675 v1(3825,3690)
  Bottom Layer w10: P10.16 1230,3550 v1(1625.29,3550) ; v1(1830,3545) v1(2050,3545) ; P5.6 3825,4190 v1(3825,3690)
PB13: P5.4 P10.30 | length 2487.1
  Top Layer w10: P10.30 1650,3276.07 2683.93,4310 3565,4310 3620,4255 P5.4
PB14: P10.28 U3.7 | length 6591.9
  Top Layer w10: v1(1717.21,1225) 1795,1225 1900,1120 2770,1120 2875,1225 4540,1225 4585,1225 v1(4625,1185) ; v1(5695,1095.47) 5704.53,1105 5730,1105 5740.16,1115.16 U3.7 U3.7@5783.94,1115.16
  Bottom Layer w10: P10.28 1600,3220 1600,3094.61 1717.21,2977.4 v1(1717.21,1225) ; v1(4625,1185) 4625,1035 4620,1030 4710,940 5600,940 5695,1035 v1(5695,1095.47)
PB15: P5.5 P10.26 | length 2777
  Top Layer w10: P10.26 v1(1535,3355) ; v1(2455,3930) 3640.14,3930 3738.57,4028.43 3738.57,4094.99 3720,4113.56 P5.5
  Bottom Layer w10: v1(1535,3355) 2110,3930 v1(2455,3930)
PC0: P3.2 P7.38 | length 746.5
  Top Layer w10: P7.38 2440,480 P3.2
PC1: P3.3 P7.36 | length 746.5
  Top Layer w10: P7.36 2000,820 2000,625 P3.3
PC2: P3.4 P7.35 | length 605.1
  Top Layer w10: P7.35 1950,575 P3.4
PC3: P7.37 U3.1 | length 6096.7
  Top Layer w10: P7.37 2100,720 v1(2100,660) ; v1(2620,105) 4430,105 v1(4480,155) ; v1(4480,1775) 5130,1775 5185,1720 5335,1720 5778.94,1276.06 U3.1
  Bottom Layer w10: v1(2100,660) 2350,660 2620,390 v1(2620,105) ; v1(4480,155) v1(4480,1775)
PC4: P10.34 U3.2 | length 6046.5
  Top Layer w10: P10.34 1955,3375 v1(2510,3375) ; v1(2510,3150) 2520,3140 4020,3140 4135,3255 v1(4170,3255) ; v1(4130,1730) 5099.4,1730 5179.4,1650 5305,1650 5741.42,1213.58 U3.2
  Bottom Layer w10: v1(2510,3150) v1(2510,3375) ; v1(4130,1730) 4130,3050 4130.91,3049.09 4170,3088.19 v1(4170,3255)
PC5: P10.6 U3.24 | length 8804.7
  Top Layer w10: P10.6 1005,3825 v1(2120,3825) ; v1(3390,3825) 3395,3830 v1(3960,3830) ; v1(4440,2800) 6215,2800 v1(6275,2740) ; U3.24 6021.06,1251.06 6045,1275 v1(6275,1275)
  Bottom Layer w10: v1(2120,3825) v1(3390,3825) ; v1(3960,3830) 4341.09,3830 4440,3731.09 v1(4440,2800) ; v1(6275,1275) 6280,1280 6275,1285 v1(6275,2740)
PC8: P10.2 U3.4 | length 8451.7
  Top Layer w10: P10.2 700,3720 v1(785,3720) ; v1(1030,3720) v1(2015,3720) ; v1(3430,3692.43) v1(3762.43,3692.43) ; v1(4389.69,3350) 4625,3114.69 v1(4625,2930) ; v1(5119.88,2930) v1(5895,2930) ; v1(5660,1185) 5670.79,1174.21 U3.4
  Bottom Layer w10: v1(785,3720) v1(1030,3720) ; v1(2015,3720) 3402.43,3720 v1(3430,3692.43) ; v1(3762.43,3692.43) 3785,3669.85 3785,3662.57 3898,3549.57 4295.43,3549.57 4389.69,3455.31 v1(4389.69,3350) ; v1(4625,2930) v1(5119.88,2930) v1@5125,2930 ; v1(5660,1185) 5660,1205 5775,1320 v1(5950,1320) 5950,2875 v1(5895,2930)
PC9: P10.1 R9.1 U3.5 | length 7250.7
  Top Layer w10: P10.1 825,2595 v1(5630,2595) ; v1(5718,1620.71) R9.1 5845,1585.71 5845,1175 5825.25,1155.25 5806.27,1155.25 5805.55,1154.53 U3.5@5783.94,1154.53
  Bottom Layer w10: v1(5630,2595) 5630,1708.71 v1(5718,1620.71)
PC10: P7.1 P9.2 | length 7397.8
  Top Layer w10: v1(190,2455) 295,2560 5763.74,2560 P9.2
  Bottom Layer w10: v1(190,2455) 190,830 P7.1
PC11: P7.2 P11.2 | length 7065.7
  Top Layer w10: v1(255,2450) 5653.74,2450 P11.2
  Bottom Layer w10: P7.2 255,875 v1(255,2450)
REG5: C11.2 U3.3 | length 311
  Top Layer w10: C11.2 5528.39,1323.03 5552.91,1298.5 5600.32,1298.5 5693.35,1205.47 5710,1205.47 5721.57,1193.9 U3.3 U3.3@5783.94,1193.9
RNF1: R7.2 U3.21 | length 638.4
  Top Layer w10: U3.21@6026.06,1174.21 6124.21,1174.21 6145,1195 v1(6185,1195)
  Top Layer w15: R7.2 5944.96,1451.46 6031.96,1364.46 v1(6179.46,1364.46)
  Bottom Layer w15: v1(6179.46,1364.46) 6185,1358.91 v1(6185,1195)
RNF2: R6.2 U3.17 | length 690.3
  Top Layer w10: U3.17@6026.06,1095.47 6194.53,1095.47
  Top Layer w15: 6194.53,1095.47 v1(6210,1080)
  Top Layer w30: R6.2 v1(6210,765)
  Bottom Layer w20: v1(6210,765) v1(6210,1080)
RS_RX: P11.1 U1.9 | length 630.9
  Top Layer w10: U1.9 5485.4,3092.51 v1(5575,3092.51)
  Bottom Layer w10: v1(5575,3092.51) 5575,2748.74 P11.1
RS_TX: P9.1 U1.10 | length 767.3
  Top Layer w10: U1.10 5491.06,3150 v1(5635,3150)
  Bottom Layer w10: v1(5635,3150) 5635,3083.78 5786.24,2932.53 5786.24,2637.5 P9.1
VM: C8.2 C9.1 D2.1 U3.19 | length 2595.8
  Top Layer w10: C9.1 4973.98,1465 5000.47,1438.5 5000.47,1254.53 C8.2 ; D2.1 5000.47,960.47 5000.47,1205.47 C8.2 ; v1(5093.7,1137.6) 5089.87,1141.42 5078.58,1141.42 5025,1195 C8.2 ; v1(5155,980) 5155,935 5182.09,907.91 6257.09,907.91 v1(6295,870) ; U3.19 6265.16,1134.84 v1(6284.84,1115.16)
  Bottom Layer w10: v1(5093.7,1137.6) 5155,1076.3 v1(5155,980) ; v1(6284.84,1115.16) 6284.84,1109.75 6295,1099.59 v1(6295,870)
Vmotor: C6.2 D1.1 U2.10 | length 2240.8
  Top Layer w10: C6.2 2896.77,535 U2.10 3154.33,535 3225,464.33 v1(3225,410) ; v1(3540,400) 4090,400 4650.94,960.94 D1.1
  Bottom Layer w10: v1(3225,410) 3530,410 v1(3540,400)
pads on no net: J1.9 J1.10 J1.11 P7.3 P7.4 P7.5 P7.6 P7.7 P7.9 P7.10 P7.11 P7.13 P7.14 P7.15 P7.17 P7.23 P7.24 P7.25 P7.26 P7.27 P7.29 P7.31 P7.33 P10.3 P10.4 P10.5 P10.8 P10.10 P10.11 P10.19 P10.22 P10.24 P10.31 P10.36 P10.38 P15.2 S1.2 S1.3 S2.2 S2.3 U1.11 U1.12 U1.13 U1.14
copper on no net:
  other v2: 3103.46,2974.53 6056.22,2974.53 3103.46,4195 6056.22,4195
  other v3: 250,250 6455,250 250,4100 6450,4100

## Polygon pours and split planes (outlines as drawn)
GND on Bottom Layer "Bottom_Gnd" (solid, pour order 8): 25,4325 25,25 6675,25 6675,4325

## Silkscreen, mask and mechanical layers (free items; w line width, h text height)
Top Overlay:
  text "Rahul Mishra / Conestoga College / 8292989 - 2019" at 490,3925 h70.87
  text "HC-05" at 6600,2895 h47.24 r90
  text "UART / Jumpers" at 5653.74,2190 h39.37
  text "RST" at 3830,2020 h47.24
  text "ESP 8266" at 4280,1565 h47.24 r90
  text "G0" at 3900,1390 h47.24
  text "DC Motor" at 4815,580 h47.24
  text "Stepper" at 5650,580 h47.24
  text "+" at 5055,500 h59.06
  text "+" at 5880,500 h59.06
  text "-" at 4845,495 h59.06
  text "-" at 5685,490 h59.06
  text "Analog I/0" at 2070,165 h37.24
Outline:
  the board outline again, w10
Drill Drawing:
  drawing of 257 lines, arcs and shapes, not listed
  text "Layer" at 8105.74,4680 h60
  text "Name" at 8515.65,4680 h60
  text "Material" at 9445.4,4680 h60
  text "Thickness" at 10305.16,4680 h60
  text "Constant" at 10955,4680 h60
  text "Board Layer Stack" at 11524.86,4680 h60
  text "1" at 8105.74,4560 h60
  text "Top Overlay" at 8515.65,4560 h60
  text "2" at 8105.74,4440 h60
  text "Top Solder" at 8515.65,4440 h60
  text "Solder Resist" at 9445.4,4440 h60
  text "0.40mil" at 10305.16,4440 h60
  text "3.5" at 10955,4440 h60
  text "3" at 8105.74,4320 h60
  text "Top Layer" at 8515.65,4320 h60
  text "Copper" at 9445.4,4320 h60
  text "1.40mil" at 10305.16,4320 h60
  text "4" at 8105.74,4200 h60
  text "Dielectric 1" at 8515.65,4200 h60
  text "FR-4" at 9445.4,4200 h60
  text "58.40mil" at 10305.16,4200 h60
  text "4.8" at 10955,4200 h60
  text "5" at 8105.74,4080 h60
  text "Bottom Layer" at 8515.65,4080 h60
  text "Copper" at 9445.4,4080 h60
  text "1.40mil" at 10305.16,4080 h60
  text "6" at 8105.74,3960 h60
  text "Bottom Solder" at 8515.65,3960 h60
  text "Solder Resist" at 9445.4,3960 h60
  text "0.40mil" at 10305.16,3960 h60
  text "3.5" at 10955,3960 h60
  text "7" at 8105.74,3840 h60
  text "Bottom Overlay" at 8515.65,3840 h60
  text "Symbol" at 8305.71,3495 h72
  text "Hit Count" at 8811.58,3495 h72
  text "Finished Hole Size" at 9509.4,3495 h72
  text "Plated" at 10855,3495 h72
  text "Hole Type" at 11360.88,3495 h72
  text "2" at 8811.58,3345 h60
  text "122.05mil (3.100mm)" at 9509.4,3345 h60
  text "PTH" at 10855,3345 h60
  text "Round" at 11360.88,3345 h60
  text "4" at 8811.58,3195 h60
  text "98.43mil (2.500mm)" at 9509.4,3195 h60
  text "PTH" at 10855,3195 h60
  text "Round" at 11360.88,3195 h60
  text "4" at 8811.58,3045 h60
  text "136.00mil (3.454mm)" at 9509.4,3045 h60
  text "PTH" at 10855,3045 h60
  text "Round" at 11360.88,3045 h60
  text "7" at 8811.58,2895 h60
  text "55.00mil (1.397mm)" at 9509.4,2895 h60
  text "PTH" at 10855,2895 h60
  text "Round" at 11360.88,2895 h60
  text "9" at 8811.58,2745 h60
  text "42.91mil (1.090mm)" at 9509.4,2745 h60
  text "PTH" at 10855,2745 h60
  text "Round" at 11360.88,2745 h60
  text "122" at 8811.58,2595 h60
  text "20.00mil (0.508mm)" at 9509.4,2595 h60
  text "PTH" at 10855,2595 h60
  text "Round" at 11360.88,2595 h60
  text "135" at 8811.58,2445 h60
  text "40.00mil (1.016mm)" at 9509.4,2445 h60
  text "PTH" at 10855,2445 h60
  text "Round" at 11360.88,2445 h60
  text "283 Total" at 8811.58,2295 h60

## Text inside footprints (layer, text, board x,y; h text height)
J1: Top Overlay "6" at 6622.24,2112.8 h59.06 r270; Top Overlay "9" at 6622.24,1785.63 h59.06 r270; Top Overlay "5" at 6252.17,1731.1 h59.06 r270; Top Overlay "1" at 6252.17,2157.48 h59.06 r270
P7: Top Overlay "38" at 2145,845 h50; Top Overlay "37" at 2141,746 h50; Top Overlay "1" at 150,750 h50; Top Overlay "2" at 137,851 h50
P10: Top Overlay "38" at 2145,3245 h50; Top Overlay "37" at 2141,3146 h50; Top Overlay "1" at 150,3150 h50; Top Overlay "2" at 137,3251 h50